# Altium PCB Bluetooth_Sentinel.PcbDoc
Units mm, origin at the board's own origin, x right, y up, seen from the top; angles counter-clockwise.
Board outline 80 x 55 mm, 4 copper layers (Top Layer, Mid-Layer 1, Mid-Layer 2, Bottom Layer), stack 0.796 mm thick; 73 components, 57 nets, 224 pads, 173 vias.
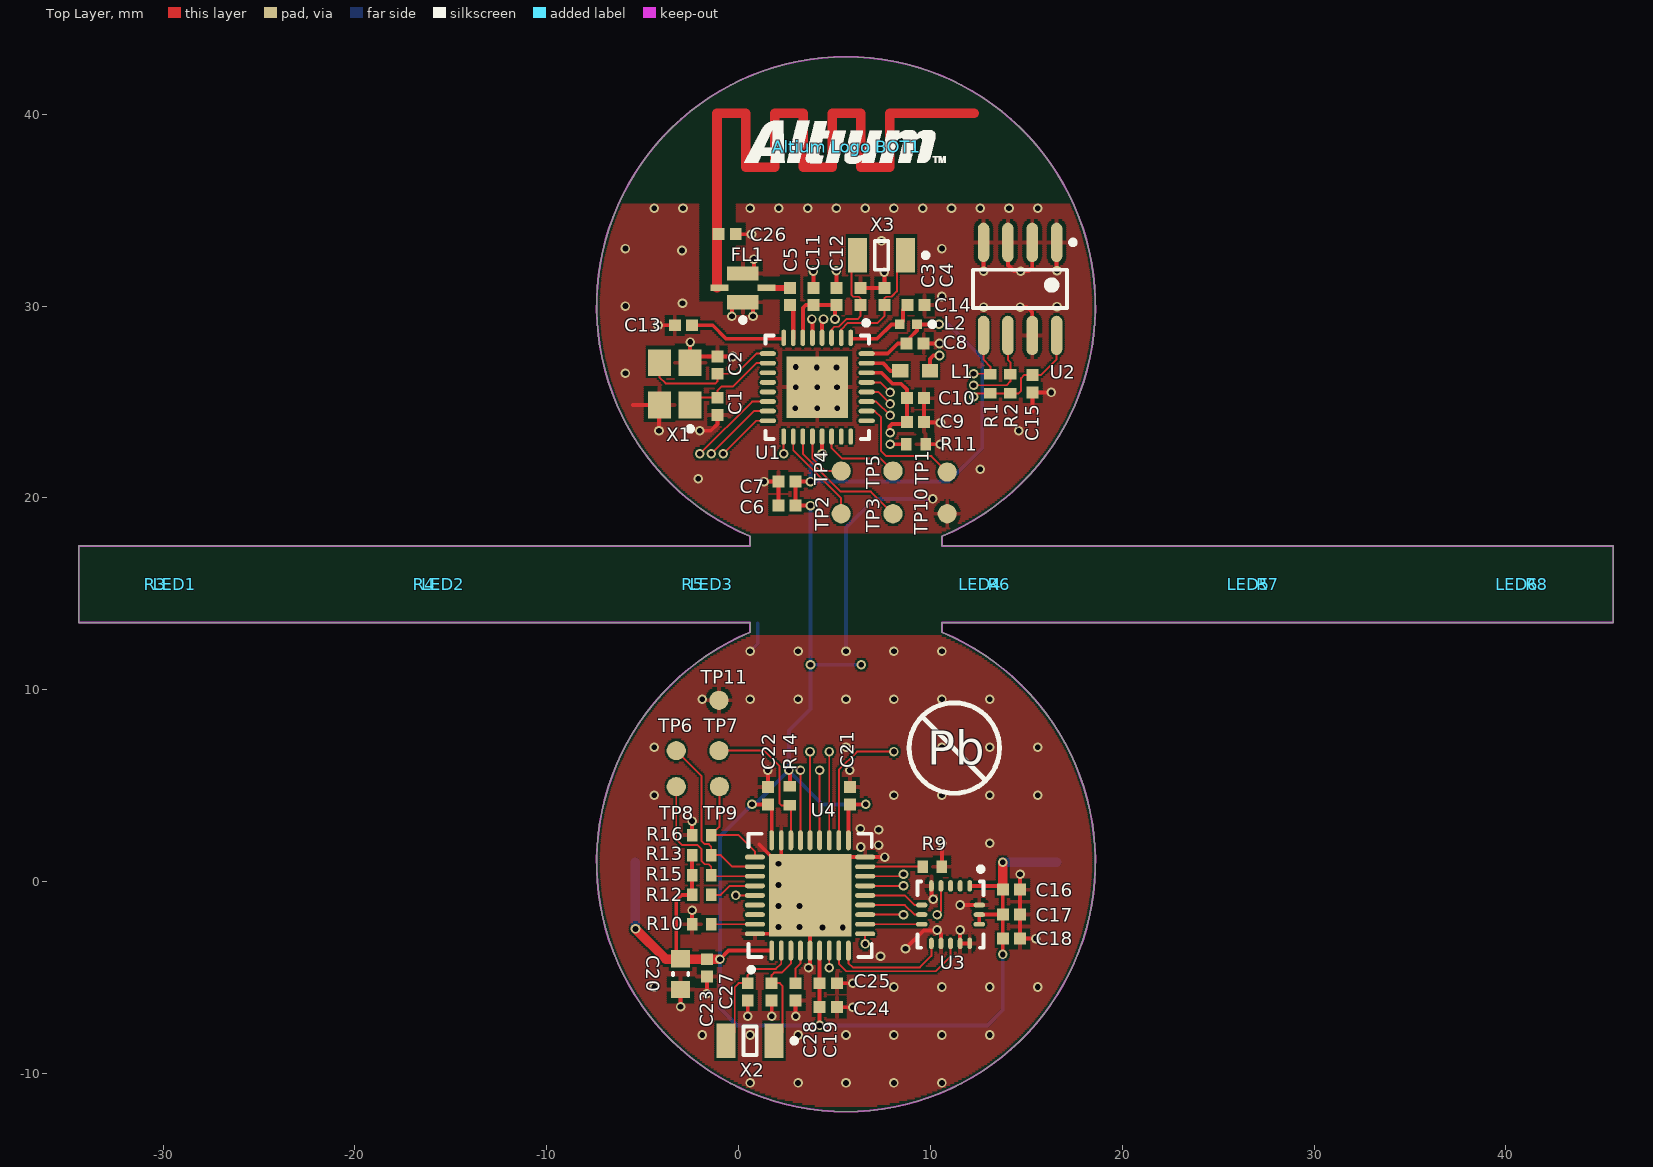
[diagram p0: Top Layer view]
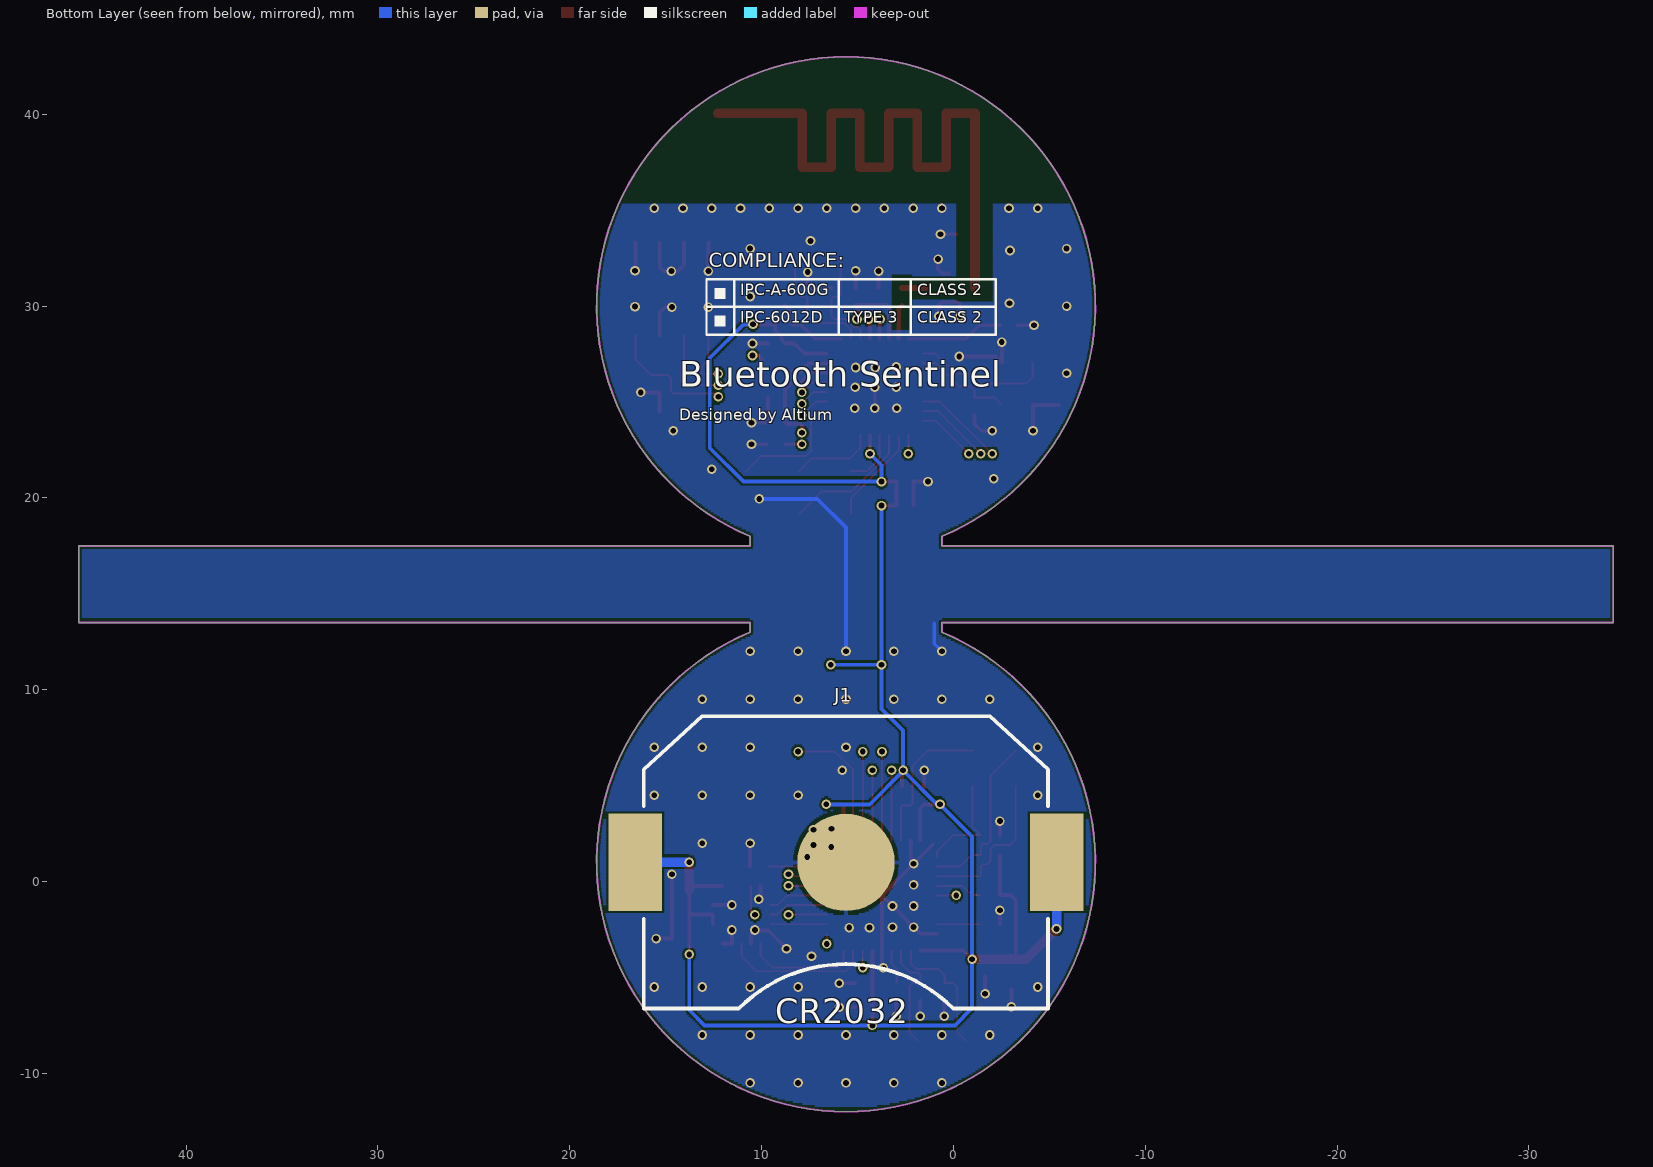
[diagram p1: Bottom Layer view, seen from below]
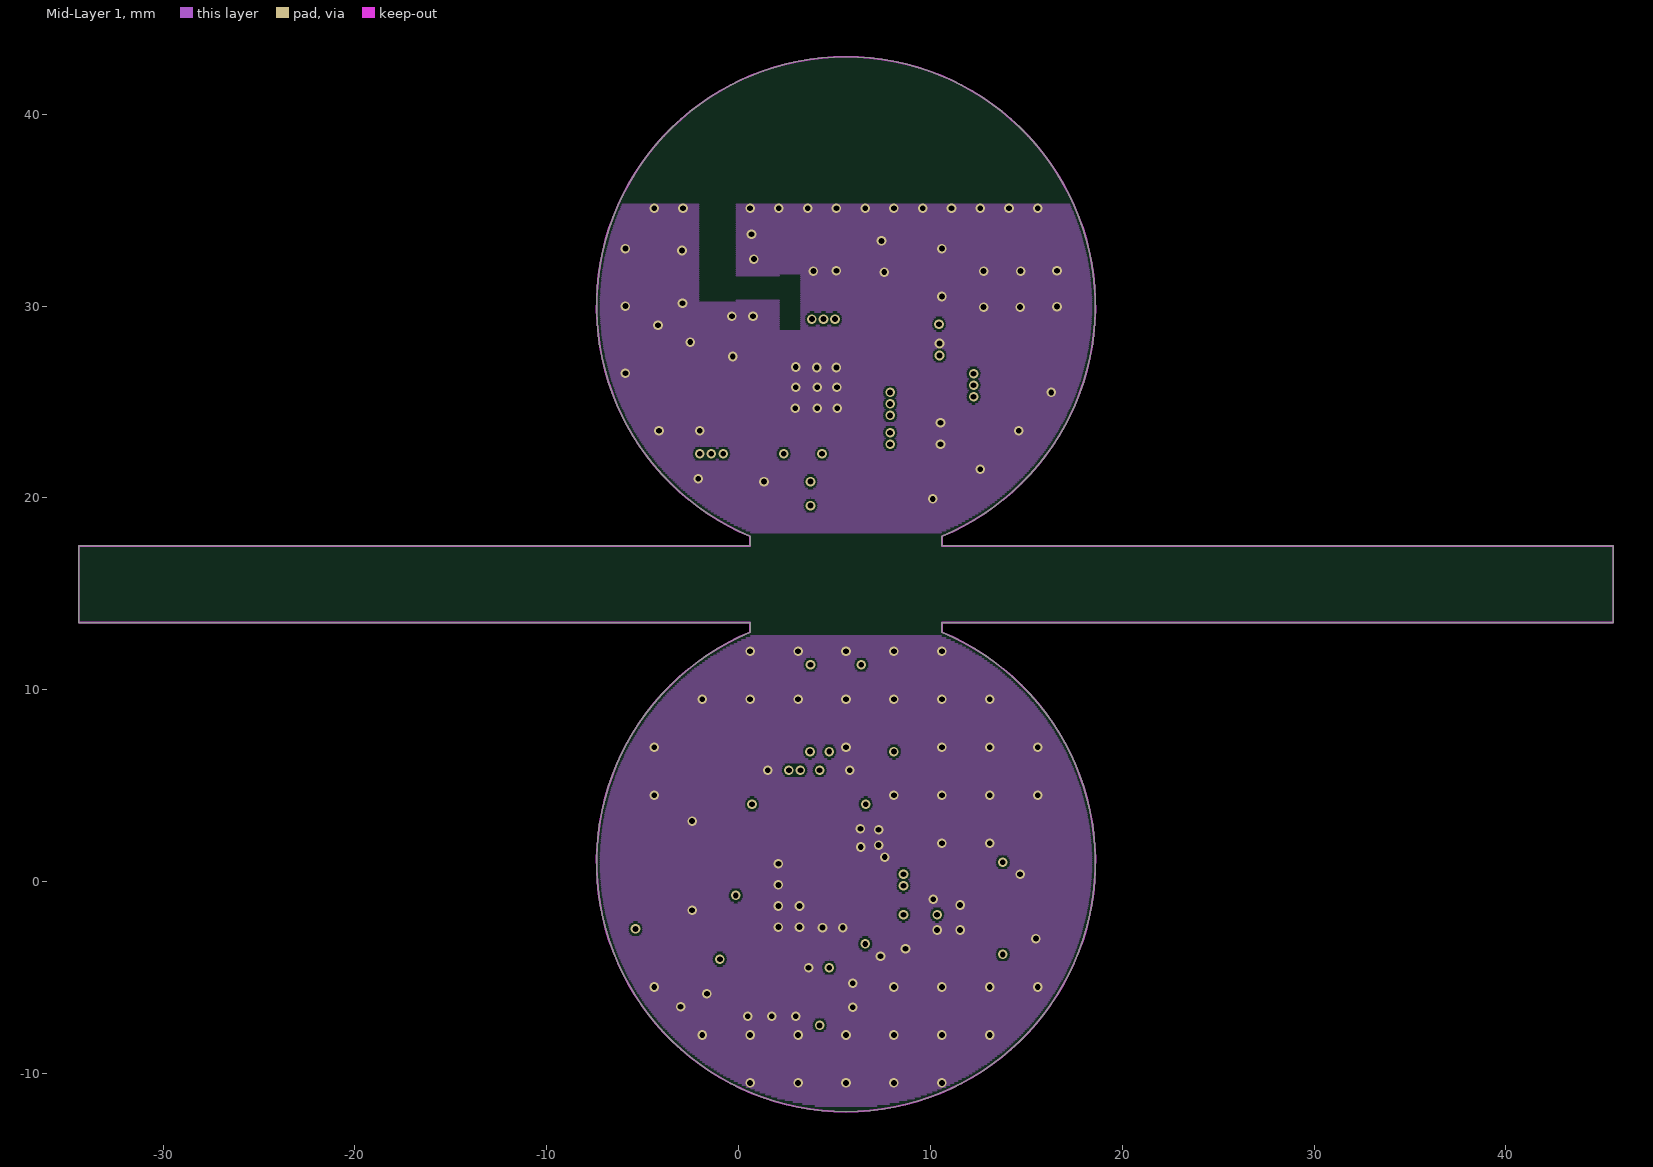
[diagram p2: Mid-Layer 1]
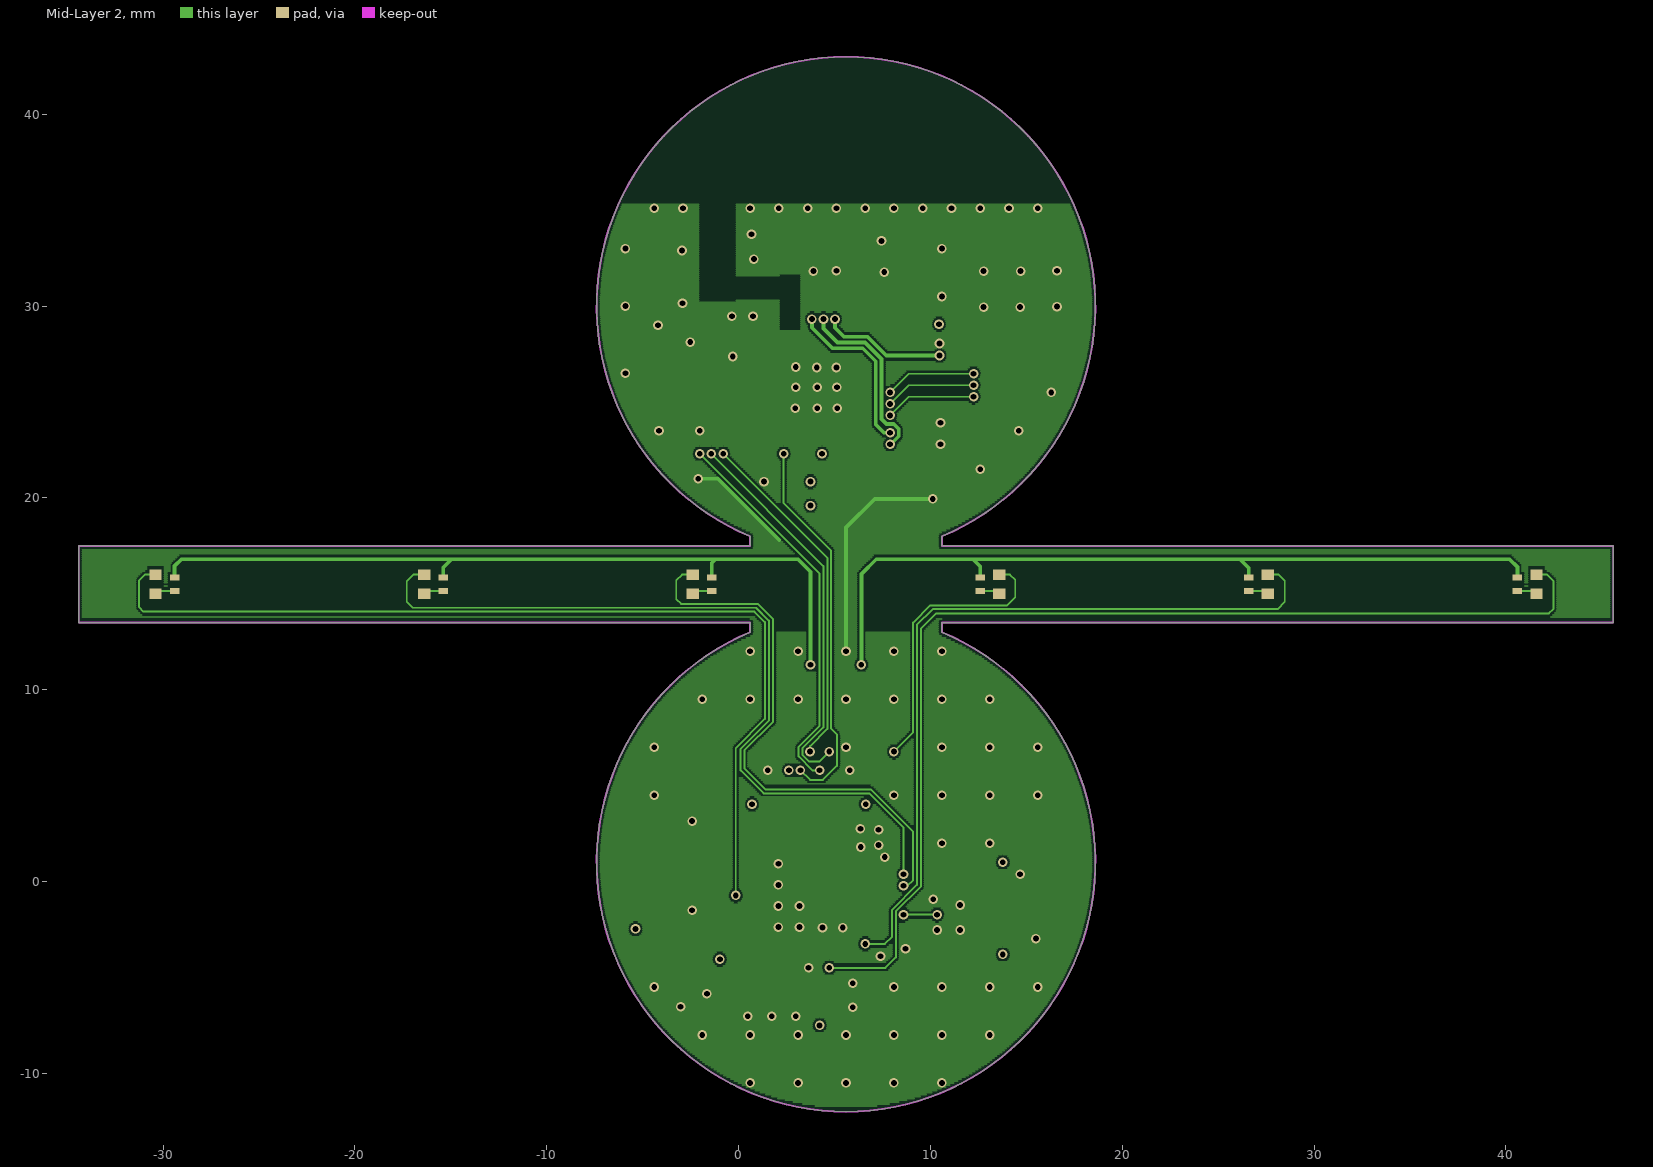
[diagram p3: Mid-Layer 2]

## Layer stack, top to bottom
Top Solder: solder mask 0.01, Solder Resist, Dk 3.5
Top Layer: signal copper 0.036
Dielectric 1: dielectric 0.32, FR-4, Dk 4.8
Mid-Layer 1: signal copper 0.036
Dielectric 2: dielectric 0.32, FR-4, Dk 4.8
Mid-Layer 2: signal copper 0.036
Dielectric 3: dielectric 0.0125, Polyamide, Dk 4.8
Bottom Layer: signal copper 0.036
Bottom Solder: solder mask 0.01, Solder Resist, Dk 3.5

## Board outline
-34.4,13.5 0.6,13.5 0.6,13 ccw(c5.6,1) 10.6,13 10.6,13.5 45.6,13.5 45.6,17.5 10.6,17.5 10.6,18 ccw(c5.6,30) 0.6,18 0.6,17.5 -34.4,17.5
board region "Layer Stack Region 2": 0.6,18 0.085,18.215 -0.905,18.731 -1.848,19.33 -2.735,20.008 -3.561,20.759 -4.319,21.579 -5.005,22.46 -5.612,23.397 -6.137,24.383 -6.575,25.41 -6.924,26.47 -7.181,27.557 -7.343,28.662 -7.41,29.776 -7.381,30.892 -7.257,32.002 -7.038,33.097 -6.726,34.169 -6.323,35.21 -5.833,36.213 -5.258,37.171 -4.603,38.075 -3.873,38.92 -3.074,39.7 -2.21,40.407 -1.289,41.039 -0.317,41.589 0.698,42.053 1.749,42.429 2.829,42.714 3.929,42.904 5.042,43 6.158,43 7.271,42.904 8.371,42.714 9.451,42.429 10.502,42.053 11.517,41.589 12.489,41.039 13.41,40.407 14.274,39.7 15.073,38.92 15.803,38.075 16.458,37.171 17.033,36.213 17.523,35.21 17.926,34.169 18.238,33.097 18.457,32.002 18.581,30.892 18.61,29.776 18.543,28.662 18.381,27.557 18.124,26.47 17.775,25.41 17.337,24.383 16.812,23.397 16.205,22.46 15.519,21.579 14.761,20.759 13.935,20.008 13.048,19.33 12.105,18.731 11.115,18.215 10.6,18
board region "Layer Stack Region 1": 10.6,13 11.115,12.785 12.105,12.269 13.048,11.67 13.935,10.992 14.761,10.241 15.519,9.421 16.205,8.54 16.812,7.603 17.337,6.617 17.775,5.59 18.124,4.53 18.381,3.443 18.543,2.338 18.61,1.224 18.581,0.108 18.457,-1.002 18.238,-2.097 17.926,-3.169 17.523,-4.21 17.033,-5.213 16.458,-6.171 15.803,-7.075 15.073,-7.92 14.274,-8.7 13.41,-9.407 12.489,-10.039 11.517,-10.589 10.502,-11.053 9.451,-11.429 8.371,-11.714 7.271,-11.904 6.158,-12 5.042,-12 3.929,-11.904 2.829,-11.714 1.749,-11.429 0.698,-11.053 -0.317,-10.589 -1.289,-10.039 -2.21,-9.407 -3.074,-8.7 -3.873,-7.92 -4.603,-7.075 -5.258,-6.171 -5.833,-5.213 -6.323,-4.21 -6.726,-3.169 -7.038,-2.097 -7.257,-1.002 -7.381,0.108 -7.41,1.224 -7.343,2.338 -7.181,3.443 -6.924,4.53 -6.575,5.59 -6.137,6.617 -5.612,7.603 -5.005,8.54 -4.319,9.421 -3.561,10.241 -2.735,10.992 -1.848,11.67 -0.905,12.269 0.085,12.785 0.597,12.999
board region "Layer Stack Region 3": 10.6,18 10.6,17.5 45.6,17.5 45.6,13.5 10.6,13.5 10.6,13 0.597,12.999 0.6,13 0.6,13.5 -34.4,13.5 -34.4,17.5 0.6,17.5 0.6,18

## Design rules (kind name [scope] priority, off if disabled: settings)
Clearance [All] p1: gap=0.1 ignorepadtopadclearanceinfootprint=FALSE except(0: Arc-Hole Track-Hole SMDPad-Hole THPad-Hole Via-Hole Fill-Hole Poly-Hole Region-Hole Text-Hole)
ComponentClearance [All] p1: gap=0.2 collisioncheckmode=3 verticalgap=0.2 showdistances=FALSE
HoleToHoleClearance [All] p1: gap=0.1 allowstackedmicrovias=TRUE
MinimumSolderMaskSliver [All] p1: minsoldermaskwidth=0.1
NetAntennae [All] p1: netantennaetolerance=30
PolygonConnect PolygonConnect_PCBModule [InComponentClass('PCBModule')] p1: connectstyle=Direct reliefconductorwidth=0.254 reliefentries=4 polygonreliefangle="90 Angle" airgapwidth=0.254
PolygonConnect PolygonConnect_VIA [IsVia] p2: connectstyle=Direct reliefconductorwidth=0.254 reliefentries=4 polygonreliefangle="90 Angle" airgapwidth=0.254
PolygonConnect [All] p3: connectstyle=Relief reliefconductorwidth=0.2 reliefentries=4 polygonreliefangle="90 Angle" airgapwidth=0.2
RoutingVias [All] p1: holewidth=0.3 width=0.5 viastyle="Through Hole" minholewidth=0.3 minwidth=0.5 maxholewidth=0.3 maxwidth=0.5
SilkToSilkClearance SilkToSilkClearance_1 [(ObjectKind = 'Text') And (StringText = 'Designed & Made in China') vs (ObjectKind = 'Text') And (StringText = 'Digital Designer Board')] p1: silktosilkclearance=0
SilkToSilkClearance [All] p2: silktosilkclearance=0
SilkToSolderMaskClearance [IsPad] p1: minsilkscreentomaskgap=0.1 clearancetoexposedcopper=TRUE
SolderMaskExpansion [All] p1: expansion=0 istentingtop=FALSE
Width [All] p1: maxlimit=0.5 minlimit=0.1 preferedwidth=0.1 minimp=50.000000 maximp=50.000000 favimp=50.000000
24 further rules are at their usual default settings.

## Classes and differential pairs
component class LC_Filter: C5 C26 FL1
component class BT_ANTMATCH: C5 C26
component class Programmer: TP1 TP2 TP3 TP4 TP5 TP10
component class Microcontroller_STM32F101: C19 C20 C21 C22 C23 C24 C25 R9 R10 R12 R13 R14 R15 R16 U4
component class Accelerometer: C16 C17 C18 U3
component class Red_LED6: LED6 R8 R10_U_LED6
component class Red_LED5: LED5 R7 R10_U_LED5
component class Red_LED4: LED4 R6 R10_U_LED4
component class Red_LED3: LED3 R5 R10_U_LED3
component class Red_LED2: LED2 R4 R10_U_LED2
component class Red_LED1: LED1 R3 R10_U_LED1
component class U_JTAG_TP: TP6 TP8 TP9
component class BT_RF_FILTER: FL1
component class BLUETOOTH: C6 C7 C8 C9 C10 C11 C12 C13 C14 L1 L2 R11 U1
component class "U_BT_1V8TX TO 3VTX2": "Q1_U_BT_1V8TX TO 3VTX2"
component class "U_BT_1V8TX TO 3VTX1": "Q1_U_BT_1V8TX TO 3VTX1"
component class EEPROM: C15 "Q1_U_BT_1V8RX TO 3VRX2" R1 R2 U2
component class Programmer: "Q1_U_BT_1V8RX TO 3VRX1" TP6 TP7 TP8 TP9 TP11
component class Power: J1
component class Q2: C3 C4 X3
component class 16MHz_Clock: C1 C2 X1
component class Q1: C27 C28 X2
component class "BOOT MODE": R9 R10
channel class Oscillator_32_768KHz: Q1 Q2
channel class Red_LED: Red_LED1 Red_LED2 Red_LED3 Red_LED4 Red_LED5 Red_LED6

## Components (designator, comment, footprint, x,y, rotation, side; value= is the part's Value field where it differs from the comment)
"Altium Logo BOT1" "Altium(2009)" LOGO-ALTIUM-NEW 5.65,38.3 r0 top
C1 "CAP 20pF 10V 0402(1005)" CAPC0402(1005)60_N -1.1,24.775 r270 top
C2 "CAP 20pF 10V 0402(1005)" CAPC0402(1005)60_N -1.1,26.925 r90 top
C3 "CAP 24pF 10V 0402(1005)" CAPC0402(1005)60_N 6.35,30.5 r270 top
C4 "CAP 24pF 10V 0402(1005)" CAPC0402(1005)60_N 7.6,30.5 r270 top
C5 "CAP 22pF 16V 0402(1005)" CAPC0402(1005)60_N 2.675,30.5 r90 top (schematic designator C14)
C6 "CAP 2.2uF 6.3V 0402(1005)" CAPC0402(1005)60_N 2.525,19.6 r0 top (schematic designator C5)
C7 "CAP 100nF 6.3V 0402(1005)" CAPC0402(1005)60_N 2.525,20.85 r0 top (schematic designator C6)
C8 "CAP 100nF 6.3V 0402(1005)" CAPC0402(1005)60_N 9.2,28.05 r180 top (schematic designator C7)
C9 "CAP 470nF 6.3V 0402(1005)" CAPC0402(1005)60_N 9.225,23.95 r180 top (schematic designator C8)
C10 "CAP 100nF 6.3V 0402(1005)" CAPC0402(1005)60_N 9.225,25.2 r180 top (schematic designator C9)
C11 "CAP 2.2uF 6.3V 0402(1005)" CAPC0402(1005)60_N 3.9,30.5 r270 top (schematic designator C10)
C12 "CAP 470nF 6.3V 0402(1005)" CAPC0402(1005)60_N 5.1,30.5 r270 top (schematic designator C11)
C13 "CAP 470nF 6.3V 0402(1005)" CAPC0402(1005)60_N -2.875,29 r0 top (schematic designator C12)
C14 "CAP 33pF 10V 0402(1005)" CAPC0402(1005)60_N 9.25,30.05 r180 top (schematic designator C13)
C15 "CAP 1uF 6.3V 0402(1005)" CAPC0402(1005)60_N 15.325,25.95 r90 top (schematic designator C22)
C16 "CAP 100nF 16V 0402(1005)" CAPC0402(1005)60_N 14.225,-0.425 r0 top (schematic designator C27)
C17 "CAP 100nF 16V 0402(1005)" CAPC0402(1005)60_N 14.225,-1.725 r180 top (schematic designator C28)
C18 "CAP 1uF 16V 0402(1005)" CAPC0402(1005)60_N 14.225,-2.975 r0 top (schematic designator C29)
C19 "CAP 100nF 6.3V 0402(1005)" CAPC0402(1005)60_N 2.975,-5.75 r270 top (schematic designator C15)
C20 "CAP 10uF 10V 0603(1608)" CAPC0603(1608)100_N -3.025,-4.825 r90 top (schematic designator C16)
C21 "CAP 100nF 6.3V 0402(1005)" CAPC0402(1005)60_N 5.8,4.475 r270 top (schematic designator C17)
C22 "CAP 100nF 6.3V 0402(1005)" CAPC0402(1005)60_N 1.525,4.475 r270 top (schematic designator C18)
C23 "CAP 100nF 6.3V 0402(1005)" CAPC0402(1005)60_N -1.65,-4.5 r90 top (schematic designator C19)
C24 "CAP 1uF 6.3V 0402(1005)" CAPC0402(1005)60_N 4.675,-6.55 r180 top (schematic designator C20)
C25 "CAP 100nF 6.3V 0402(1005)" CAPC0402(1005)60_N 4.675,-5.3 r180 top (schematic designator C21)
C26 "CAP 1.5pF 10V 0402(1005)" CAPC0402(1005)60_N -0.6,33.75 r180 top
C27 "CAP 24pF 10V 0402(1005)" CAPC0402(1005)60_N 0.475,-5.75 r90 top (schematic designator C3)
C28 "CAP 24pF 10V 0402(1005)" CAPC0402(1005)60_N 1.725,-5.75 r90 top (schematic designator C4)
FL1 "LFB212G45SG8A143" MUR-LFB212G45SG8A143-4 0.225,30.95 r180 top
J1 "BK-912-TR" MPD-CN-DIN-3_V 5.6,1 r180 bottom
L1 "7447966" SMD-0603 9.2,26.625 r0 top
L2 "MMZ1005Y152CT" TDK-CHIP-2_V 8.85,29.05 r180 top
LED1 "LNJ247W82RA" PNSC-CHIP-2_V -29.4,15.5 r90 top
LED2 "LNJ247W82RA" PNSC-CHIP-2_V -15.4,15.5 r90 top (schematic designator LED1)
LED3 "LNJ247W82RA" PNSC-CHIP-2_V -1.4,15.5 r90 top (schematic designator LED1)
LED4 "LNJ247W82RA" PNSC-CHIP-2_V 12.6,15.5 r90 top (schematic designator LED1)
LED5 "LNJ247W82RA" PNSC-CHIP-2_V 26.6,15.5 r90 top (schematic designator LED1)
LED6 "LNJ247W82RA" PNSC-CHIP-2_V 40.6,15.5 r90 top (schematic designator LED1)
R1 "4K7 5% 0402(1005)" RESC0402(1005)_N#1 13.125,25.95 r270 top (schematic designator R9)
R2 "4K7 5% 0402(1005)" RESC0402(1005)_N#1 14.175,25.95 r270 top (schematic designator R10)
R3 "200R 5% 0402(1005)" RESC0402(1005)_N#2 -30.4,15.5 r270 top (schematic designator R1)
R4 "200R 5% 0402(1005)" RESC0402(1005)_N#2 -16.4,15.5 r270 top (schematic designator R1)
R5 "200R 5% 0402(1005)" RESC0402(1005)_N#2 -2.4,15.5 r270 top (schematic designator R1)
R6 "200R 5% 0402(1005)" RESC0402(1005)_N#2 13.6,15.5 r270 top (schematic designator R1)
R7 "200R 5% 0402(1005)" RESC0402(1005)_N#2 27.6,15.5 r270 top (schematic designator R1)
R8 "200R 5% 0402(1005)" RESC0402(1005)_N#2 41.6,15.5 r270 top (schematic designator R1)
R9 "10K 5% 0402(1005)" RESC0402(1005)_N#1 10.1,0.775 r0 top
R10 "10K 5% 0402(1005)" RESC0402(1005)_N#1 -1.925,-2.225 r180 top
R11 "Jumper 0402(1005)" RESC0402(1005)_N#1 9.25,22.8 r0 top (schematic designator R16)
R12 "10K 5% 0402(1005)" RESC0402(1005)_N#1 -1.925,-0.7 r180 top (schematic designator R11)
R13 "10K 5% 0402(1005)" RESC0402(1005)_N#1 -1.925,1.375 r180 top (schematic designator R12)
R14 "10K 5% 0402(1005)" RESC0402(1005)_N#1 2.675,4.475 r90 top (schematic designator R13)
R15 "10K 5% 0402(1005)" RESC0402(1005)_N#1 -1.925,0.325 r180 top (schematic designator R14)
R16 "10K 5% 0402(1005)" RESC0402(1005)_N#1 -1.925,2.425 r0 top (schematic designator R15)
TP1 "TP-SM-C-100" TP-SM-C-100 10.875,21.35 r90 top (schematic designator TP5)
TP2 "TP-SM-C-100" TP-SM-C-100 5.35,19.175 r90 top (schematic designator TP6)
TP3 "TP-SM-C-100" TP-SM-C-100 8.05,19.175 r90 top (schematic designator TP7)
TP4 "TP-SM-C-100" TP-SM-C-100 5.35,21.4 r90 top (schematic designator TP8)
TP5 "TP-SM-C-100" TP-SM-C-100 8.05,21.4 r90 top (schematic designator TP9)
TP6 "TP-SM-C-100" TP-SM-C-100 -3.25,6.825 r0 top (schematic designator TP1)
TP7 "TP-SM-C-100" TP-SM-C-100 -1.025,6.825 r90 top (schematic designator TP2)
TP8 "TP-SM-C-100" TP-SM-C-100 -3.25,4.95 r90 top (schematic designator TP3)
TP9 "TP-SM-C-100" TP-SM-C-100 -1,4.95 r90 top (schematic designator TP4)
TP10 "TP-SM-C-100" TP-SM-C-100 10.875,19.175 r90 top
TP11 "TP-SM-C-100" TP-SM-C-100 -1.025,9.45 r90 top
U1 "CSR1010A05-IQQM-R" CSR-CSR1010A05-IQQM-R-QFN32_M 4.1,25.775 r270 top (schematic designator U4)
U2 "24AA512-I/SN" MCHP-SOIC-SN8_N 14.675,30.9 r270 top (schematic designator U3)
U3 "LIS331DLTR" LGA16-3X3X1_L 11.05,-1.725 r270 top (schematic designator U1)
U4 "STM32F101T6U6A" VFQFPN36_N 3.725,-0.725 r90 top (schematic designator U2)
X1 "21C00047-16.000MHz" ITTI-21C00047-16.000MHz-4_V -3.325,25.95 r90 top
X2 "14340272-32.768KHz" ITTI-14340272-32.768KHz-2_V 0.6,-8.3 r180 top
X3 "14340272-32.768KHz" ITTI-14340272-32.768KHz-2_V 7.45,32.65 r180 top (schematic designator X2)
